# KiCad board FD-checkver.kicad_pcb (continued)
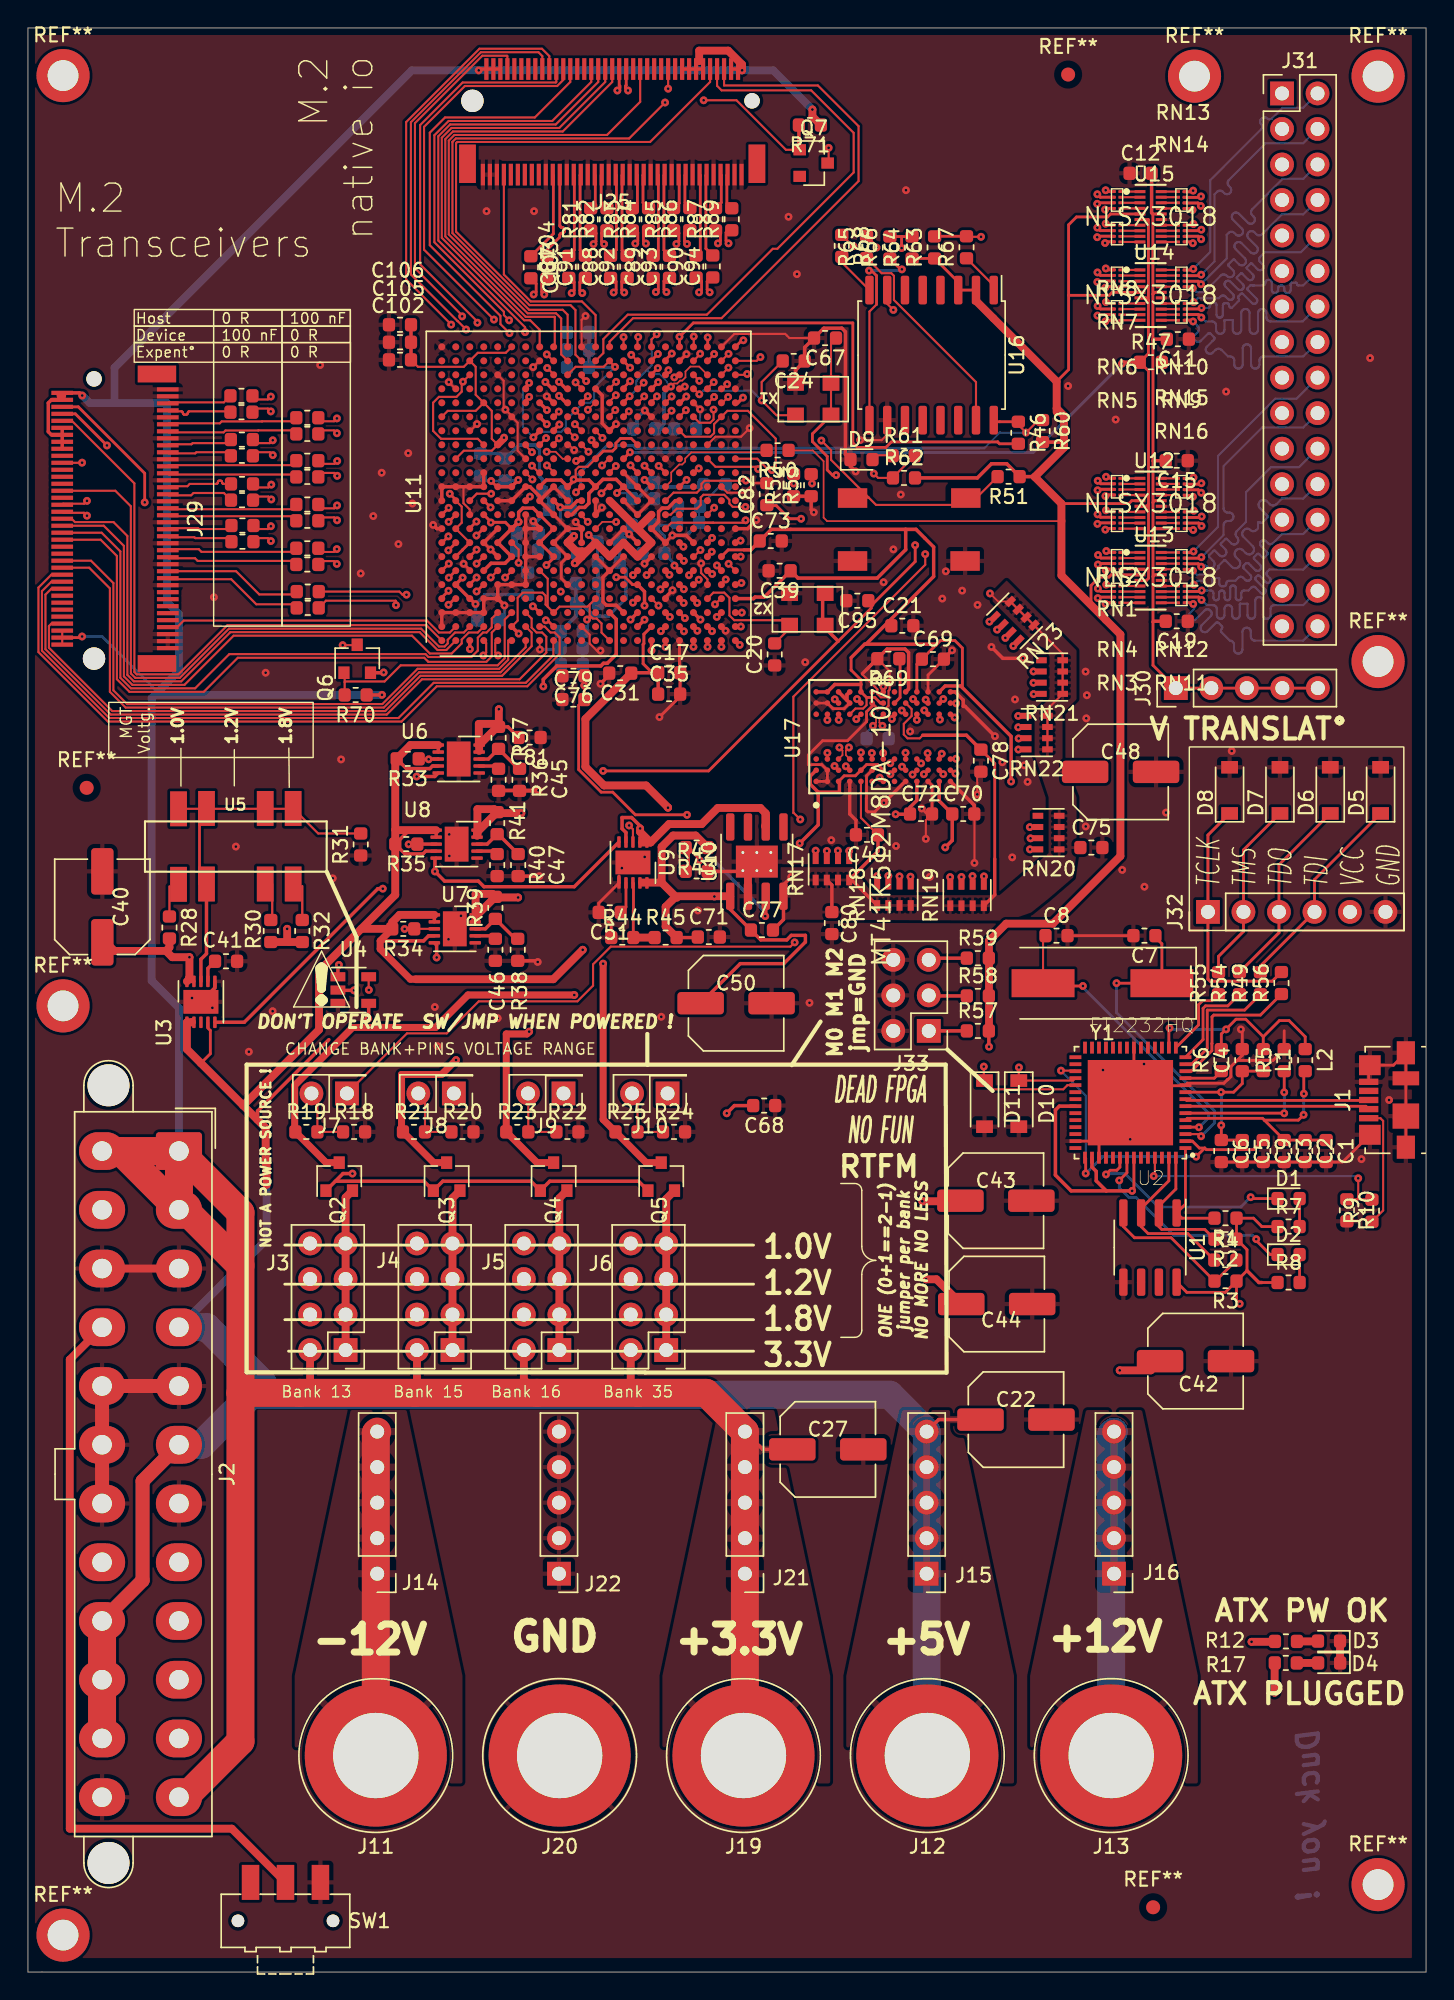
[diagram p0: board, top side]
## Routing (per net, layer and track width the routed paths; a pad name or vN(x,y) marks a point on that pad's centre or on a via; arc(x,y) is an arc through that point) (continued)
  In2.Cu_SigDDR w0.2: 76.39,124.83 76.49,124.73 v1(76.49,124.72)
RN7_7: length 42.8
  Top w0.2: 42.6,113.27 v1(43.07,113.74)
  Top w0.21: 77.7,124.11 76.55,124.11 v1(76.48,124.04)
  In2.Cu_SigDDR w0.15: v1(43.07,113.74) 43.36,113.74 44.85,115.23 46.24,115.23 46.51,115.5 46.51,116.15 47.06,116.7 47.06,117.05 47.88,117.88 51.7,117.88 51.79,117.78 70.02,117.78 73.6,121.36 73.61,121.38 73.62,121.4 73.63,121.42 73.63,121.44 73.62,121.46 73.61,121.48 73.59,121.51 73.58,121.53 73.57,121.55 73.57,121.57 73.58,121.59 73.59,121.61 73.6,121.63 73.89,121.92 73.91,121.93 73.93,121.94 73.95,121.95 73.97,121.95 73.99,121.94 74.01,121.93 74.03,121.92 74.28,121.66 74.33,121.62 74.38,121.6 74.44,121.58 74.5,121.58 74.56,121.6 74.62,121.62 74.66,121.66 74.71,121.7 74.74,121.75 74.77,121.81 74.78,121.86 74.78,121.93 74.77,121.98 74.74,122.04 74.71,122.09 74.45,122.34 74.44,122.36 74.43,122.38 74.42,122.4 74.42,122.42 74.43,122.44 74.44,122.46 74.45,122.48 74.74,122.77 74.76,122.78 74.78,122.79 74.8,122.8 74.82,122.8 74.84,122.79 74.86,122.78 74.87,122.77 75.13,122.51 75.18,122.47 75.23,122.45 75.29,122.43 75.35,122.43 75.41,122.45 75.47,122.47 75.51,122.51 75.56,122.55 75.59,122.6 75.62,122.65 75.63,122.71 75.63,122.77 75.62,122.83 75.59,122.89 75.56,122.93 75.37,123.13 75.37,123.13 75.3,123.2 75.29,123.21 75.28,123.23 75.27,123.25 75.27,123.27 75.28,123.29 75.29,123.31 75.3,123.33 75.59,123.62 75.61,123.63 75.63,123.64 75.65,123.65 75.67,123.65 75.69,123.64 75.71,123.63 75.74,123.61 75.76,123.6 75.78,123.59 75.8,123.59 75.82,123.6 75.84,123.61 75.86,123.62 76.38,124.14
  In2.Cu_SigDDR w0.2: v1(76.48,124.04) 76.38,124.14
RN7_8: length 36.2
  Top w0.15: U11.W21 48.08,115.68 v1(48.08,115.71)
  Top w0.21: v1(77.04,123.63) 77.13,123.71 77.7,123.71
  In2.Cu_SigDDR w0.15: 76.88,123.46 76.83,123.42 76.78,123.4 76.72,123.38 76.66,123.38 76.6,123.4 76.54,123.42 76.45,123.5 76.39,123.52 76.34,123.54 76.28,123.54 76.22,123.52 76.16,123.5 76.11,123.46 76.07,123.42 76.03,123.37 76.01,123.32 75.99,123.26 75.99,123.2 76.01,123.14 76.03,123.08 76.07,123.04 76.26,122.85 76.26,122.84 76.4,122.7 76.42,122.67 76.44,122.63 76.45,122.59 76.45,122.54 76.44,122.5 76.42,122.46 76.4,122.43 76.25,122.28 76.21,122.25 76.17,122.23 76.13,122.22 76.09,122.22 76.05,122.23 76.01,122.25 75.94,122.31 75.9,122.33 75.86,122.34 75.81,122.34 75.77,122.33 75.73,122.31 75.7,122.28 75.69,122.28 75.67,122.25 75.65,122.21 75.64,122.17 75.64,122.14 75.65,122.1 75.67,122.07 75.72,122.01 75.73,121.97 75.74,121.93 75.74,121.9 75.73,121.86 75.72,121.83 75.69,121.8 75.51,121.61 75.48,121.59 75.45,121.57 75.41,121.56 75.37,121.56 75.33,121.57 75.3,121.59 75.24,121.64 75.21,121.65 75.17,121.66 75.13,121.66 75.09,121.65 75.06,121.64 75.03,121.61 70.9,117.48 51.74,117.48 51.6,117.63 48.69,117.63 48.1,117.03 48.1,115.73
  In2.Cu_SigDDR w0.2: v1(48.08,115.71) 48.1,115.73 ; v1(77.04,123.63) 76.88,123.46
RN8_5: length 37.6
  Top w0.15: v1(47.62,116.94) 47.62,116.22
  Top w0.21: v1(77.08,127.4) 77.18,127.3 77.7,127.3
  In4.Cu_SigDDR w0.15: v1(47.62,116.94) 48.58,117.9 65.18,117.9 72.01,124.73 73.68,126.4 73.72,126.43 73.76,126.45 73.81,126.46 73.86,126.46 73.91,126.45 73.96,126.43 74.03,126.37 74.08,126.35 74.13,126.33 74.18,126.33 74.23,126.35 74.27,126.37 74.31,126.4 74.35,126.44 74.38,126.47 74.4,126.52 74.41,126.57 74.41,126.62 74.4,126.67 74.38,126.71 74.35,126.75 73.66,127.44 73.63,127.48 73.6,127.53 73.59,127.59 73.59,127.64 73.6,127.7 73.63,127.75 73.66,127.79 73.71,127.83 73.76,127.85 73.81,127.86 73.87,127.86 73.92,127.85 73.97,127.83 74.01,127.79 74.37,127.44 74.41,127.41 74.46,127.38 74.52,127.37 74.57,127.37 74.63,127.38 74.68,127.41 74.72,127.44 74.87,127.59 76.89,127.59
  In4.Cu_SigDDR w0.2: 76.89,127.59 v1(77.08,127.4)
  B.Cu_GND_DDR w0.21: v1(77.08,127.4) 77.06,127.37
RN8_6: length 35.6
  Top w0.2: v1(48.62,116.88) 48.62,116.22
  Top w0.21: v1(76.49,127.11) 76.7,126.9 77.7,126.9
  In4.Cu_SigDDR w0.15: v1(76.49,127.11) 75.43,127.11 74.1,125.78 74.07,125.76 74.03,125.74 73.99,125.73 73.96,125.73 73.92,125.74 73.88,125.76 73.82,125.8 73.78,125.82 73.75,125.83 73.71,125.83 73.67,125.82 73.63,125.8 73.6,125.78 73.57,125.75 73.54,125.72 73.53,125.68 73.52,125.64 73.52,125.6 73.53,125.56 73.54,125.53 73.57,125.5 73.69,125.37 73.68,125.36 73.8,125.23 73.83,125.2 73.84,125.16 73.85,125.13 73.85,125.09 73.84,125.05 73.83,125.01 73.8,124.98 73.77,124.95 73.74,124.92 73.7,124.91 73.66,124.9 73.62,124.9 73.58,124.91 73.55,124.92 73.52,124.95 73.27,125.2 73.24,125.22 73.2,125.24 73.16,125.25 73.12,125.25 73.09,125.24 73.05,125.22 73.02,125.2 72.99,125.16 72.96,125.13 72.94,125.1 72.93,125.06 72.93,125.02 72.94,124.98 72.96,124.95 73.01,124.88 73.03,124.85 73.04,124.81 73.04,124.77 73.03,124.73 73.01,124.7 72.99,124.67 71.67,123.35 65.92,117.6 49.34,117.6 v1(48.62,116.88)
RN8_7: length 34.5
  Top w0.15: U11.AA21 50.1,115.7 v1(50.11,115.7)
  Top w0.21: 77.7,126.5 76.55,126.5 v1(76.48,126.43)
  In4.Cu_SigDDR w0.15: v1(76.48,126.43) 75.75,126.43 75.5,126.17 75.46,126.14 75.41,126.12 75.36,126.11 75.31,126.11 75.27,126.12 75.22,126.14 75.14,126.21 75.1,126.23 75.05,126.24 75,126.24 74.96,126.23 74.91,126.21 74.87,126.17 74.76,126.06 74.73,126.02 74.71,125.98 74.7,125.93 74.7,125.88 74.71,125.83 74.73,125.79 74.76,125.75 74.92,125.6 74.91,125.59 75.05,125.45 75.08,125.42 75.1,125.38 75.11,125.34 75.11,125.29 75.1,125.25 75.08,125.21 75.05,125.18 74.9,125.03 74.87,125 74.83,124.98 74.79,124.97 74.74,124.97 74.7,124.98 74.66,125 74.63,125.03 74.45,125.2 74.44,125.21 74.43,125.21 74.42,125.22 74.41,125.22 74.4,125.21 74.39,125.21 74.38,125.2 74.03,124.85 74.02,124.84 74.02,124.83 74.01,124.82 74.01,124.81 74.02,124.8 74.02,124.79 74.03,124.77 74.04,124.76 74.04,124.75 74.04,124.74 74.04,124.73 74.03,124.72 74.03,124.71 72.17,122.85 66.52,117.2 50.99,117.2 50.11,116.32 v1(50.11,115.7)
RN8_8: length 31.6
  Top w0.2: U11.AB22 51.07,116.67 v1(51.17,116.67)
  Top w0.21: v1(77.04,126.02) 77.13,126.1 77.7,126.1
  In4.Cu_SigDDR w0.15: 77,125.97 v1(77.04,126.02) 67.3,116.27 51.57,116.27 v1(51.17,116.67)
USB_VBUS: length 8.7
  Top w0.15: R9.1 96.93,54.45 96.93,60.85 96.74,61.05 J1.1
VTRANS_1_1: length 18.3
  Top w0.21: v1(83.34,127.37) 83.26,127.29 82.68,127.29
  In2.Cu_SigDDR w0.15: J31.1 86.17,130.79 86.13,130.74 86.1,130.68 86.08,130.61 86.08,130.54 86.1,130.48 86.13,130.42 86.17,130.37 86.43,130.11 86.47,130.06 86.5,130 86.51,129.93 86.51,129.86 86.5,129.8 86.47,129.74 86.43,129.69 86.37,129.64 86.31,129.62 86.25,129.6 86.18,129.6 86.12,129.62 86.05,129.64 86,129.69 85.07,130.62 85.01,130.66 84.95,130.69 84.89,130.71 84.82,130.71 84.76,130.69 84.69,130.66 84.64,130.62 84.6,130.57 84.57,130.51 84.56,130.44 84.56,130.38 84.57,130.31 84.6,130.25 84.64,130.2 85.58,129.26 85.62,129.21 85.65,129.15 85.66,129.08 85.66,129.02 85.65,128.95 85.62,128.89 85.58,128.84 85.53,128.8 85.46,128.77 85.4,128.75 85.33,128.75 85.27,128.77 85.21,128.8 85.15,128.84 84.22,129.77 84.17,129.82 84.1,129.84 84.04,129.86 83.97,129.86 83.91,129.84 83.85,129.82 83.79,129.77 83.75,129.72 83.72,129.66 83.71,129.59 83.71,129.53 83.72,129.46 83.75,129.4 83.79,129.35 84.73,128.41 84.77,128.36 84.8,128.3 84.82,128.24 84.82,128.17 84.8,128.1 84.77,128.04 84.73,127.99 84.68,127.95 84.62,127.92 84.55,127.9 84.48,127.9 84.42,127.92 84.36,127.95 84.3,127.99 84.05,128.25 84,128.29 83.94,128.32 83.87,128.33 83.8,128.33 83.74,128.32 83.68,128.29 83.62,128.25 83.34,127.96 v1(83.34,127.37)
VTRANS_1_2: length 18.4
  Top w0.21: 82.68,126.89 83.83,126.89 v1(83.9,126.96)
  In2.Cu_SigDDR w0.15: v1(83.9,126.96) 84.88,126.96 85.81,127.89 85.84,127.93 85.87,127.98 85.88,128.04 85.88,128.1 85.87,128.15 85.84,128.2 85.77,128.29 85.75,128.34 85.74,128.4 85.74,128.45 85.75,128.51 85.77,128.56 85.81,128.61 85.84,128.64 85.88,128.67 85.94,128.7 85.99,128.71 86.05,128.71 86.1,128.7 86.15,128.67 86.2,128.64 86.86,127.98 86.91,127.94 86.96,127.91 87.02,127.9 87.08,127.9 87.14,127.91 87.2,127.94 87.25,127.98 87.29,128.02 87.31,128.08 87.33,128.14 87.33,128.2 87.31,128.26 87.29,128.32 87.25,128.36 86.59,129.03 86.55,129.07 86.53,129.12 86.51,129.18 86.51,129.23 86.53,129.29 86.55,129.34 86.59,129.38 86.62,129.41 86.66,129.45 86.71,129.47 86.77,129.49 86.83,129.49 86.88,129.47 86.93,129.45 86.98,129.41 87.64,128.75 87.69,128.71 87.74,128.69 87.8,128.67 87.86,128.67 87.92,128.69 87.98,128.71 88.03,128.75 88.06,128.8 88.09,128.86 88.1,128.92 88.1,128.98 88.09,129.04 88.06,129.09 88.03,129.14 87.06,130.11 87.02,130.15 87,130.21 86.98,130.27 86.98,130.33 87,130.39 87.02,130.45 87.06,130.49 87.11,130.53 87.17,130.56 87.23,130.57 87.29,130.57 87.35,130.56 87.4,130.53 87.45,130.49 88.27,129.67 88.32,129.63 88.38,129.61 88.44,129.59 88.5,129.59 88.56,129.61 88.61,129.63 88.66,129.67 88.7,129.72 88.73,129.78 88.74,129.84 88.74,129.9 88.73,129.96 88.7,130.01 88.66,130.06 87.84,130.88 87.8,130.93 87.77,130.99 87.76,131.05 87.76,131.11 87.77,131.17 87.8,131.22 87.84,131.27 87.89,131.31 87.94,131.34 88,131.35 88.06,131.35 88.12,131.34 88.18,131.31 88.23,131.27 88.52,130.99 88.56,130.95 88.62,130.92 88.68,130.91 88.74,130.91 88.8,130.92 88.86,130.95 88.91,130.99 J31.3
VTRANS_1_3: length 17.6
  Top w0.21: 82.68,126.49 83.68,126.49 v1(83.89,126.27)
  In2.Cu_SigDDR w0.15: v1(83.89,126.27) 84.34,126.27 84.38,126.27 84.41,126.26 84.43,126.24 84.46,126.22 84.47,126.19 84.48,126.16 84.49,126.1 84.5,126.07 84.52,126.04 84.54,126.02 84.57,126 84.6,125.99 84.63,125.99 84.79,125.99 84.83,125.99 84.86,126 84.88,126.02 84.91,126.04 84.92,126.07 84.93,126.1 84.94,126.13 84.94,126.27 84.94,126.27 84.94,126.54 84.95,126.59 84.97,126.63 84.99,126.68 85.03,126.71 85.07,126.74 85.12,126.76 85.17,126.76 85.22,126.76 85.27,126.74 85.31,126.71 85.35,126.68 85.37,126.63 85.39,126.59 85.39,126.54 85.39,126.13 85.4,126.1 85.41,126.07 85.43,126.04 85.45,126.02 85.48,126 85.51,125.99 85.54,125.99 85.7,125.99 85.73,125.99 85.76,126 85.79,126.02 85.81,126.04 85.83,126.07 85.84,126.1 85.85,126.16 85.86,126.19 85.88,126.22 85.9,126.24 85.93,126.26 85.96,126.27 85.99,126.27 86.73,126.27 86.77,126.31 86.82,126.33 86.87,126.34 86.92,126.34 86.97,126.33 87.01,126.31 87.05,126.27 87.29,126.04 87.33,126 87.38,125.98 87.42,125.97 87.48,125.97 87.52,125.98 87.57,126 87.61,126.04 87.64,126.08 87.66,126.12 87.67,126.17 87.67,126.22 87.66,126.27 87.64,126.31 87.61,126.35 86.81,127.15 86.78,127.19 86.76,127.23 86.75,127.28 86.75,127.33 86.76,127.38 86.78,127.43 86.81,127.47 86.85,127.5 86.9,127.52 86.95,127.53 87,127.53 87.05,127.52 87.09,127.5 87.13,127.47 87.93,126.67 87.97,126.64 88.01,126.62 88.06,126.61 88.11,126.61 88.16,126.62 88.21,126.64 88.25,126.67 88.28,126.71 88.3,126.76 88.31,126.81 88.31,126.86 88.3,126.91 88.28,126.95 88.25,126.99 87.59,127.64 87.56,127.68 87.54,127.73 87.53,127.78 87.53,127.83 87.54,127.88 87.56,127.92 87.59,127.96 87.63,127.99 87.68,128.02 87.73,128.03 87.78,128.03 87.83,128.02 87.87,127.99 87.91,127.96 88.53,127.34 88.57,127.31 88.61,127.29 88.66,127.28 88.71,127.28 88.76,127.29 88.81,127.31 88.85,127.34 88.88,127.38 88.9,127.43 88.91,127.48 88.91,127.53 88.9,127.58 88.88,127.62 88.85,127.66 88.26,128.25 88.23,128.28 88.21,128.33 88.2,128.38 88.2,128.43 88.21,128.48 88.23,128.52 88.26,128.56 88.3,128.59 88.35,128.62 88.4,128.63 88.45,128.63 88.5,128.62 88.54,128.59 88.58,128.56 89.2,127.95 89.24,127.91 89.28,127.89 89.33,127.88 89.38,127.88 89.43,127.89 89.48,127.91 89.52,127.95 89.55,127.98 89.57,128.03 89.58,128.08 89.58,128.13 89.57,128.18 89.55,128.22 89.52,128.26 89.28,128.5 89.25,128.54 89.23,128.59 89.22,128.64
VTRANS_1_4: length 17.5
  Top w0.21: v1(83.3,125.99) 83.2,126.09 82.68,126.09
  In2.Cu_SigDDR w0.15: 88.99,127.01 88.95,127.03 88.9,127.04 88.85,127.04 88.8,127.03 88.75,127.01 88.71,126.97 88.68,126.93 88.66,126.89 88.65,126.84 88.65,126.79 88.66,126.74 88.68,126.7 88.71,126.66 89.76,125.61 89.79,125.57 89.82,125.52 89.83,125.47 89.83,125.42 89.82,125.38 89.79,125.33 89.76,125.29 89.72,125.26 89.68,125.24 89.63,125.23 89.58,125.23 89.53,125.24 89.48,125.26 89.44,125.29 89.03,125.71 88.99,125.74 88.94,125.76 88.89,125.77 88.84,125.77 88.79,125.76 88.75,125.74 88.71,125.71 87.78,125.71 87.73,125.7 87.68,125.69 87.64,125.66 87.6,125.62 87.57,125.58 87.56,125.53 87.55,125.48 87.55,124.89 87.55,124.84 87.53,124.79 87.5,124.75 87.47,124.72 87.42,124.69 87.38,124.67 87.33,124.67 87.28,124.67 87.23,124.69 87.19,124.72 87.15,124.75 87.12,124.79 87.11,124.84 87.1,124.89 87.1,125.8 87.1,125.82 87.09,125.84 87.08,125.86 87.07,125.88 87.05,125.89 87.03,125.9 87.01,125.9 86.75,125.9 86.73,125.9 86.71,125.89 86.69,125.88 86.67,125.86 86.66,125.84 86.65,125.82 86.65,125.8 86.65,124.89 86.65,124.84 86.63,124.79 86.6,124.75 86.57,124.72 86.52,124.69 86.48,124.67 86.43,124.67 86.38,124.67 86.33,124.69 86.29,124.72 86.25,124.75 86.22,124.79 86.21,124.84 86.2,124.89 86.2,125.48 86.2,125.53 86.18,125.58 86.15,125.62 86.12,125.66 86.07,125.69 86.03,125.7 85.98,125.71 85.93,125.7 85.88,125.69 85.84,125.66 85.8,125.62 85.77,125.58 85.76,125.53 85.75,125.48 85.75,124.89 85.75,124.84 85.73,124.79 85.7,124.75 85.67,124.72 85.62,124.69 85.58,124.67 85.53,124.67 85.48,124.67 85.43,124.69 85.39,124.72 85.35,124.75 85.32,124.79 85.31,124.84 85.3,124.89 85.3,125.48 85.3,125.53 85.28,125.58 85.25,125.62 85.22,125.66 85.17,125.69 85.13,125.7 85.08,125.71 85.03,125.7 84.98,125.69 84.94,125.66 84.9,125.62 84.87,125.58 84.86,125.53 84.85,125.48 84.85,124.89 84.85,124.84 84.83,124.79 84.8,124.75 84.77,124.72 84.72,124.69 84.68,124.67 84.63,124.67 84.58,124.67 84.53,124.69 84.49,124.72 84.45,124.75 84.42,124.79 84.41,124.84 84.4,124.89 84.4,125.76 84.4,125.77 84.4,125.78 84.39,125.79 84.38,125.8 84.37,125.8 84.36,125.81 84.35,125.81 84,125.81 83.99,125.81 83.98,125.8 83.97,125.8 83.96,125.79 83.96,125.78 83.95,125.77 83.95,125.75 83.95,125.74 83.94,125.73 83.93,125.72 83.92,125.71 83.91,125.71 83.9,125.71 83.58,125.71 v1(83.3,125.99)
VTRANS_1_5: length 17.7
  Top w0.21: v1(83.36,124.99) 83.28,124.91 82.71,124.91
  In4.Cu_SigDDR w0.15: 89.68,124.18 88.59,125.27 88.2,125.27 88.14,125.28 88.09,125.3 88.04,125.33 88,125.37 87.97,125.41 87.95,125.47 87.95,125.52 87.95,126.07 87.94,126.13 87.92,126.18 87.89,126.23 87.85,126.27 87.8,126.3 87.75,126.32 87.7,126.32 87.64,126.32 87.59,126.3 87.54,126.27 87.5,126.23 87.47,126.18 87.45,126.13 87.45,126.07 87.45,124.87 87.44,124.82 87.42,124.76 87.39,124.72 87.35,124.68 87.3,124.65 87.25,124.63 87.2,124.62 87.14,124.63 87.09,124.65 87.04,124.68 87,124.72 86.97,124.76 86.95,124.82 86.95,124.87 86.95,126.07 86.94,126.13 86.92,126.18 86.89,126.23 86.85,126.27 86.8,126.3 86.75,126.32 86.7,126.32 86.64,126.32 86.59,126.3 86.54,126.27 86.5,126.23 86.47,126.18 86.45,126.13 86.45,126.07 86.45,125.07 86.44,125.03 86.43,124.98 86.4,124.95 86.37,124.91 86.33,124.89 86.29,124.88 86.25,124.87 86.15,124.87 86.1,124.88 86.06,124.89 86.02,124.91 85.99,124.95 85.97,124.98 85.95,125.03 85.95,125.07 85.95,126.07 85.94,126.13 85.92,126.18 85.89,126.23 85.85,126.27 85.8,126.3 85.75,126.32 85.7,126.32 85.64,126.32 85.59,126.3 85.54,126.27 85.5,126.23 85.47,126.18 85.45,126.13 85.45,126.07 85.45,125.07 85.44,125.03 85.43,124.98 85.4,124.95 85.37,124.91 85.33,124.89 85.29,124.88 85.25,124.87 85.15,124.87 85.1,124.88 85.06,124.89 85.02,124.91 84.99,124.95 84.97,124.98 84.95,125.03 84.95,125.07 84.95,126.07 84.94,126.13 84.92,126.18 84.89,126.23 84.85,126.27 84.8,126.3 84.75,126.32 84.7,126.32 84.64,126.32 84.59,126.3 84.54,126.27 84.5,126.23 84.47,126.18 84.45,126.13 84.45,126.07 84.45,125.15 84.44,125.12 84.43,125.09 84.42,125.07 84.4,125.05 84.38,125.03 84.35,125.02 84.32,125.02 84.07,125.02 84.04,125.02 84.02,125.03 83.99,125.05 83.97,125.07 83.96,125.09 83.95,125.12 83.94,125.17 83.93,125.2 83.92,125.22 83.9,125.24 83.88,125.26 83.85,125.27 83.82,125.27 83.64,125.27 v1(83.36,124.99)
VTRANS_1_6: length 17
  Top w0.21: 82.71,124.51 83.86,124.51 v1(83.93,124.58)
  In4.Cu_SigDDR w0.15: 89.47,122.24 89.74,122.52 89.78,122.57 89.81,122.62 89.82,122.68 89.82,122.74 89.81,122.8 89.78,122.86 89.74,122.91 89.69,122.94 89.64,122.97 89.58,122.98 89.51,122.98 89.45,122.97 89.4,122.94 89.35,122.91 88.41,121.97 88.37,121.93 88.31,121.9 88.25,121.89 88.19,121.89 88.13,121.9 88.07,121.93 88.03,121.97 87.99,122.02 87.96,122.07 87.95,122.13 87.95,122.19 87.96,122.25 87.99,122.31 88.03,122.36 88.79,123.12 88.82,123.17 88.85,123.22 88.86,123.28 88.86,123.34 88.85,123.4 88.82,123.46 88.79,123.51 88.74,123.55 88.68,123.57 88.62,123.59 88.56,123.59 88.5,123.57 88.44,123.55 88.4,123.51 87.64,122.75 87.59,122.71 87.53,122.68 87.47,122.67 87.41,122.67 87.35,122.68 87.3,122.71 87.25,122.75 87.21,122.79 87.18,122.85 87.17,122.91 87.17,122.97 87.18,123.03 87.21,123.09 87.25,123.14 88.18,124.07 88.22,124.12 88.25,124.18 88.26,124.24 88.26,124.3 88.25,124.36 88.22,124.41 88.18,124.46 88.14,124.5 88.08,124.53 88.02,124.54 87.96,124.54 87.9,124.53 87.84,124.5 87.8,124.46 86.86,123.52 86.81,123.49 86.75,123.46 86.69,123.45 86.63,123.45 86.57,123.46 86.52,123.49 86.47,123.52 86.43,123.57 86.4,123.63 86.39,123.69 86.39,123.75 86.4,123.81 86.43,123.87 86.47,123.91 86.74,124.19 86.78,124.24 86.81,124.29 86.82,124.35 86.82,124.41 86.81,124.47 86.78,124.53 86.74,124.58 85.5,124.58 85.46,124.57 85.42,124.56 85.38,124.53 85.35,124.5 85.33,124.47 85.31,124.43 85.31,124.34 85.29,124.3 85.27,124.26 85.24,124.23 85.2,124.21 85.16,124.19 85.12,124.19 84.95,124.19 84.91,124.19 84.87,124.21 84.83,124.23 84.8,124.26 84.78,124.3 84.76,124.34 84.76,124.43 84.74,124.47 84.72,124.5 84.69,124.53 84.65,124.56 84.61,124.57 84.57,124.58 v1(83.93,124.58)
VTRANS_1_7: length 17.8
  Top w0.21: v1(83.92,123.9) 83.7,124.11 82.71,124.11
  In4.Cu_SigDDR w0.15: v1(83.92,123.9) 84.88,123.9 85.03,123.75 85.07,123.7 85.1,123.64 85.12,123.57 85.12,123.5 85.1,123.44 85.07,123.38 85.03,123.33 84.79,123.09 84.75,123.03 84.72,122.97 84.71,122.91 84.71,122.84 84.72,122.78 84.75,122.72 84.79,122.66 84.84,122.62 84.9,122.59 84.97,122.58 85.04,122.58 85.1,122.59 85.16,122.62 85.22,122.66 85.86,123.3 85.9,123.34 85.96,123.37 86.02,123.38 86.08,123.38 86.13,123.37 86.19,123.34 86.24,123.3 86.28,123.26 86.32,123.21 86.34,123.16 86.36,123.1 86.36,123.04 86.34,122.98 86.32,122.93 86.28,122.88 85.64,122.24 85.6,122.19 85.57,122.13 85.55,122.06 85.55,121.99 85.57,121.93 85.6,121.87 85.64,121.81 85.69,121.77 85.75,121.74 85.82,121.73 85.89,121.73 85.95,121.74 86.01,121.77 86.06,121.81 86.7,122.45 86.75,122.49 86.81,122.52 86.86,122.53 86.92,122.53 86.98,122.52 87.04,122.49 87.08,122.45 87.13,122.41 87.17,122.36 87.19,122.31 87.21,122.25 87.21,122.19 87.19,122.13 87.17,122.08 87.13,122.03 86.49,121.39 86.45,121.34 86.42,121.28 86.4,121.21 86.4,121.14 86.42,121.08 86.45,121.02 86.49,120.97 86.54,120.92 86.6,120.9 86.67,120.88 86.73,120.88 86.8,120.9 86.86,120.92 86.91,120.97 87.55,121.61 87.6,121.64 87.65,121.67 87.71,121.68 87.77,121.68 87.83,121.67 87.89,121.64 87.93,121.61 87.98,121.56 88.02,121.51 88.04,121.46 88.05,121.4 88.05,121.34 88.04,121.28 88.02,121.23 87.98,121.18 87.34,120.54 87.3,120.49 87.27,120.43 87.25,120.36 87.25,120.3 87.27,120.23 87.3,120.17 87.34,120.12 87.39,120.08 87.45,120.05 87.52,120.03 87.58,120.03 87.65,120.05 87.71,120.08 87.76,120.12 88,120.36 88.05,120.4 88.11,120.43 88.18,120.44 88.25,120.44 88.31,120.43 88.37,120.4 88.42,120.36 J31.13
VTRANS_1_8: length 17.3
  Top w0.21: 82.71,123.71 83.22,123.71 v1(83.32,123.61)
  In4.Cu_SigDDR w0.15: 89.31,116.93 87.15,119.09 87.11,119.14 87.08,119.2 87.06,119.26 87.06,119.33 87.08,119.39 87.11,119.45 87.19,119.55 87.21,119.6 87.23,119.67 87.23,119.73 87.21,119.79 87.19,119.85 87.15,119.9 87.13,119.92 87.08,119.96 87.02,119.99 86.96,120 86.89,120 86.83,119.99 86.77,119.96 86.72,119.92 86.05,119.25 85.99,119.2 85.93,119.17 85.87,119.16 85.8,119.16 85.74,119.17 85.68,119.2 85.62,119.25 85.58,119.3 85.55,119.36 85.54,119.42 85.54,119.49 85.55,119.56 85.58,119.62 85.62,119.67 86.3,120.34 86.34,120.39 86.37,120.45 86.38,120.51 86.38,120.58 86.37,120.64 86.34,120.7 86.3,120.75 86.28,120.77 86.23,120.81 86.17,120.84 86.11,120.85 86.04,120.85 85.98,120.84 85.92,120.81 85.87,120.77 85.2,120.09 85.15,120.05 85.09,120.02 85.02,120.01 84.95,120.01 84.89,120.02 84.83,120.05 84.77,120.09 84.73,120.15 84.7,120.21 84.69,120.27 84.69,120.34 84.7,120.41 84.73,120.47 84.77,120.52 85.45,121.19 85.49,121.24 85.52,121.3 85.53,121.36 85.53,121.43 85.52,121.49 85.49,121.55 85.45,121.6 85.43,121.62 85.38,121.66 85.32,121.69 85.26,121.7 85.19,121.7 85.13,121.69 85.08,121.66 85.03,121.62 84.76,121.36 84.75,121.34 84.73,121.34 84.71,121.33 84.69,121.33 84.68,121.34 84.66,121.34 84.64,121.36 84.34,121.66 84.33,121.68 84.32,121.69 84.32,121.71 84.32,121.73 84.32,121.75 84.33,121.77 84.34,121.78 84.6,122.04 84.64,122.09 84.67,122.15 84.68,122.21 84.68,122.28 84.67,122.34 84.64,122.39 84.6,122.44 84.58,122.47 84.53,122.51 84.47,122.53 84.41,122.55 84.35,122.55 84.28,122.53 84.23,122.51 84.18,122.47 83.98,122.26 83.96,122.28 83.87,122.18 83.85,122.16 83.82,122.15 83.79,122.14 83.76,122.14 83.73,122.15 83.7,122.16 83.68,122.18 83.44,122.41 83.43,122.44 83.41,122.46 83.41,122.49 83.41,122.52 83.41,122.55 83.43,122.58 83.46,122.63 83.48,122.66 83.48,122.68 83.48,122.71 83.48,122.74 83.46,122.77 83.44,122.8 83.32,122.92 v1(83.32,123.61)
VTRANS_2_1: length 18.4
  Top w0.21: 82.7,121.69 83.27,121.69 v1(83.35,121.77)
  B.Cu_GND_DDR w0.15: 83.42,121.77 v1(83.35,121.77) 84.56,122.98 84.56,128.11 88.21,131.76 88.24,131.8 88.27,131.85 88.28,131.91 88.28,131.97 88.27,132.02 88.24,132.08 88.17,132.17 88.14,132.22 88.13,132.27 88.13,132.33 88.14,132.39 88.17,132.44 88.21,132.49 88.27,132.55 88.31,132.58 88.36,132.61 88.42,132.62 88.48,132.62 88.53,132.61 88.59,132.58 88.68,132.51 88.73,132.48 88.78,132.47 88.84,132.47 88.9,132.48 88.95,132.51 89,132.55 89.74,133.29 91.21,133.29 J31.2
VTRANS_2_2: length 17.6
  Top w0.21: 82.7,121.29 83.85,121.29 v1(83.92,121.36)
  B.Cu_GND_DDR w0.15: v1(83.92,121.36) 84.87,122.31 84.87,127.1 85.05,127.28 85.1,127.32 85.16,127.35 85.23,127.37 85.3,127.37 85.36,127.35 85.42,127.32 85.47,127.28 85.55,127.2 85.61,127.16 85.67,127.13 85.73,127.11 85.8,127.11 85.87,127.13 85.93,127.16 85.98,127.2 86.02,127.25 86.05,127.31 86.06,127.38 86.06,127.45 86.05,127.51 86.02,127.57 85.98,127.62 85.9,127.7 85.86,127.76 85.83,127.82 85.81,127.88 85.81,127.95 85.83,128.02 85.86,128.08 85.9,128.13 88.52,130.75 91.21,130.75 J31.4
VTRANS_2_3: length 17.6
  Top w0.21: v1(83.91,120.68) 83.7,120.89 82.7,120.89
  B.Cu_GND_DDR w0.15: v1(83.91,120.68) 85.74,122.51 85.74,124.21 85.87,124.34 85.92,124.38 85.98,124.41 86.05,124.43 86.12,124.43 86.18,124.41 86.24,124.38 86.29,124.34 86.4,124.24 86.45,124.2 86.51,124.17 86.57,124.15 86.64,124.15 86.71,124.17 86.77,124.2 86.82,124.24 86.86,124.29 86.89,124.35 86.91,124.42 86.91,124.48 86.89,124.55 86.86,124.61 86.82,124.66 86.19,125.29 86.15,125.34 86.12,125.4 86.11,125.47 86.11,125.54 86.12,125.6 86.15,125.66 86.19,125.71 86.24,125.76 86.31,125.79 86.37,125.8 86.44,125.8 86.5,125.79 86.56,125.76 86.62,125.71 87.24,125.09 87.3,125.04 87.36,125.02 87.42,125 87.49,125 87.56,125.02 87.62,125.04 87.67,125.09 87.71,125.14 87.74,125.2 87.76,125.26 87.76,125.33 87.74,125.4 87.71,125.46 87.67,125.51 87.57,125.61 87.53,125.67 87.5,125.73 87.48,125.79 87.48,125.86 87.5,125.92 87.53,125.98 87.57,126.04 89.74,128.21 91.21,128.21 J31.6
VTRANS_2_4: length 18.3
  Top w0.21: v1(83.31,120.39) 83.22,120.49 82.7,120.49
  B.Cu_GND_DDR w0.15: J31.8 91.21,125.67 89.7,125.67 88.28,124.26 88.23,124.22 88.17,124.19 88.1,124.17 88.04,124.17 87.97,124.19 87.91,124.22 87.86,124.26 87.73,124.39 87.67,124.43 87.61,124.46 87.55,124.47 87.48,124.47 87.42,124.46 87.35,124.43 87.3,124.39 87.26,124.34 87.23,124.28 87.22,124.21 87.22,124.14 87.23,124.08 87.26,124.02 87.3,123.96 87.88,123.39 87.92,123.33 87.95,123.27 87.97,123.21 87.97,123.14 87.95,123.07 87.92,123.01 87.88,122.96 87.83,122.92 87.77,122.89 87.7,122.88 87.64,122.88 87.57,122.89 87.51,122.92 87.46,122.96 86.81,123.61 86.75,123.65 86.69,123.68 86.63,123.7 86.56,123.7 86.5,123.68 86.44,123.65 86.38,123.61 86.34,123.56 86.31,123.5 86.3,123.43 86.3,123.37 86.31,123.3 86.34,123.24 86.38,123.19 87.03,122.54 87.07,122.48 87.1,122.42 87.12,122.36 87.12,122.29 87.1,122.23 87.07,122.17 87.03,122.11 86.98,122.07 86.92,122.04 86.85,122.03 86.79,122.03 86.72,122.04 86.66,122.07 86.61,122.11 86.31,122.41 86.29,122.43 86.27,122.44 86.25,122.44 86.23,122.44 86.21,122.44 86.19,122.43 86.18,122.41 85.88,122.12 85.87,122.1 85.86,122.09 85.86,122.07 85.86,122.05 85.86,122.02 85.87,122.01 85.88,121.99 86.18,121.69 86.23,121.64 86.26,121.58 86.27,121.51 86.27,121.44 86.26,121.38 86.23,121.32 86.18,121.26 86.13,121.22 86.07,121.19 86.01,121.18 85.94,121.18 85.87,121.19 85.81,121.22 85.76,121.26 85.74,121.29 85.68,121.33 85.62,121.36 85.56,121.37 85.49,121.37 85.42,121.36 85.36,121.33 85.31,121.29 84.14,120.11 83.59,120.11 v1(83.31,120.39)
  B.Cu_GND_DDR w0.21: v1(83.31,120.39) 83.34,120.42
